# Altium PCB PCB.PcbDoc (part 3 of 4)
Units mil, origin at the board's own origin, x right, y up, seen from the top; angles counter-clockwise.
Board outline 6299.21 x 7637.8 mil, 2 copper layers (Top Layer, Bottom Layer); 456 components, 297 nets, 1240 pads, 557 vias.
Unrouted connection lines stored in the file: 247.
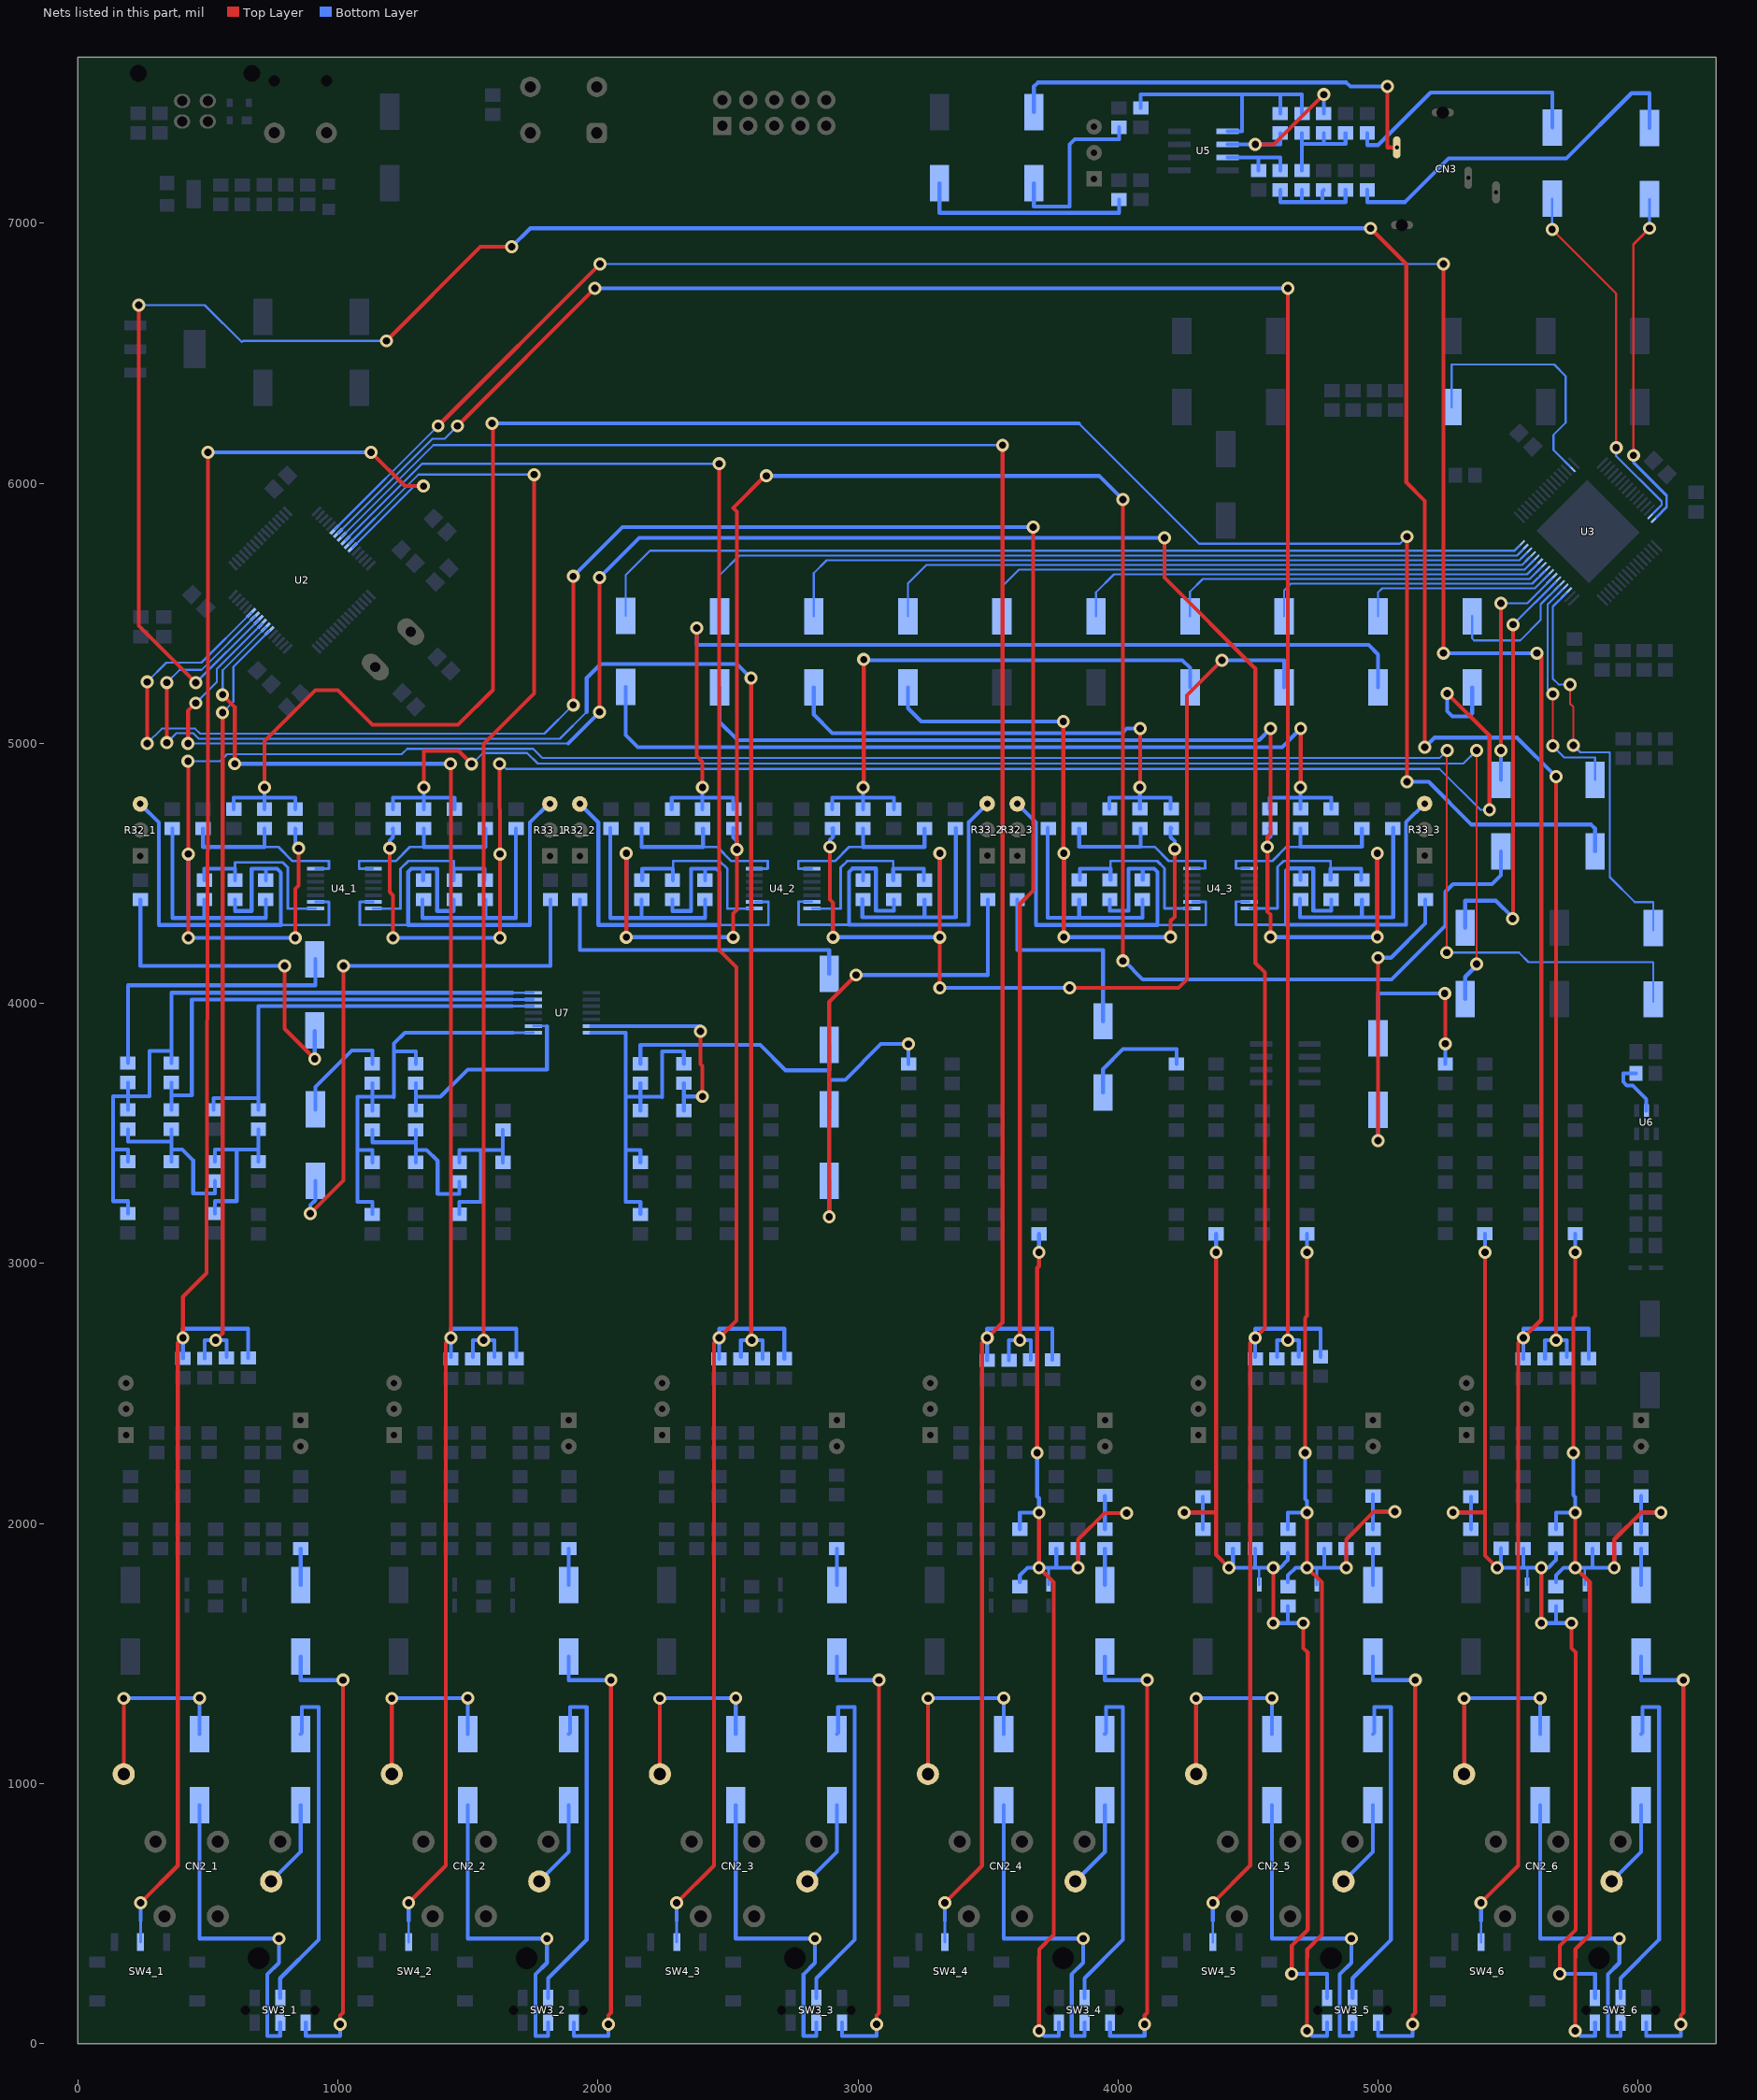
[diagram p3: the nets of this part, all layers, seen from the top]

## Via types
v1: diameter 50, hole 28, Top Layer to Bottom Layer, 553 vias
v2: diameter 55.12, hole 27.56, Top Layer to Bottom Layer, 4 vias

## Nets (pads, with @x,y where several pads share a name; then routed paths per layer and width w, separated by ;. In a path a pad name is that pad's centre, name@x,y a point inside that pad or via, vN(x,y) a via of type N, cw(c..) or ccw(c..) an arc to the next point about the centre after c; other vN are vias at no path point) (continued)
NetC17_4_2: C17_4.2 D4_4.1 R9_4.1 R10_4.2 R65.2 R66.1 R118.1 R147_4.1 SW3_4.6 | length 4413.8
  Top Layer w15: v1(3688.48,2271.16) 3688.48,2982.28 3695.87,2989.67 v1(3695.87,3042.81) ; v1(3695.87,49.21) 3695.87,331.14 3696.54,331.81 3696.54,362.38 3752.46,418.31 3752.46,1773.32 v1(3695.87,1829.91) v1(3695.87,2041.53) ; v1(3845.96,1829.91) 3845.96,1938.18 3947.65,2039.86 v1(4032.97,2039.86)
  Bottom Layer w10: D4_4.1@3732.78,1764.36 3732.78,1829.91
  Bottom Layer w15: C17_4.2@3622.05,1773.81 3622.05,1800.39 3651.57,1829.91 v1(3695.87,1829.91) 3732.78,1829.91 3762.3,1829.91 ; R9_4.1@3622.05,1978.04 3622.05,2041.53 v1(3695.87,2041.53) 3695.87,2096.46 3688.48,2103.84 v1(3688.48,2271.16) ; v1(3695.87,49.21) 3715.55,29.53 3772.15,29.53 SW3_4.6@3772.15,80.71 ; v1(3695.87,3042.81) R118.1@3695.87,3113.68 ; R147_4.1@3762.3,1903.24 3762.3,1829.91 ; R65.2@3845.96,1903.24 v1(3845.96,1829.91) 3762.3,1829.91 ; R10_4.2@3949.31,1978.04 3949.31,2039.86 ; R66.1@3949.31,2105.5 3949.31,2039.86 ; v1(4032.97,2039.86) 3949.31,2039.86
NetC17_5_1: C17_5.1 D3_5.1 R8_5.2 R9_5.2 R67.2 R68.1 R125.1 R144_5.1 SW3_5.3 | length 4112
  Top Layer w15: v1(4254.43,2042.32) 4376.11,2042.32 4376.91,2041.53 ; v1(4376.91,3042.81) 4376.91,2041.53 ; v1(4426.67,1829.91) 4376.91,1879.68 4376.91,2041.53 ; v1(4596.46,1616.63) v1(4596.46,1829.91) ; v1(4667.81,268.21) 4667.81,376.48 4728.94,437.6 4728.94,1503.84 4712.11,1520.67 v1(4712.11,1616.63) ; v1@4728.94,1616.63 v1@4728.94,1618.3
  Bottom Layer w10: D3_5.1@4542.32,1764.36 4542.32,1829.91
  Bottom Layer w15: v1(4254.43,2042.32) 4325.79,2042.32 ; R8_5.2@4325.79,1978.04 4325.79,2042.32 ; R68.1@4325.79,2103.04 4325.79,2042.32 ; v1(4376.91,3042.81) R125.1@4376.91,3113.68 ; R67.2@4441.44,1903.24 4441.44,1844.68 v1(4426.67,1829.91) 4527.56,1829.91 ; R144_5.1@4527.26,1903.24 4527.26,1830.21 4527.56,1829.91 ; v1(4596.46,1616.63) 4653.05,1616.63 ; C17_5.1@4653.05,1681.78 4653.05,1616.63 ; R9_5.2@4653.05,1886.02 4653.05,1859.44 4623.52,1829.91 v1(4596.46,1829.91) 4542.32,1829.91 4527.56,1829.91 ; v1(4667.81,268.21) 4803.15,268.21 SW3_5.3@4803.15,175.2 ; v1(4712.11,1616.63) 4653.05,1616.63
NetC17_5_2: C17_5.2 D4_5.1 R9_5.1 R10_5.2 R69.2 R70.1 R129.1 R147_5.1 SW3_5.6 | length 4420.9
  Top Layer w15: v1(4719.49,2271.16) 4719.49,2790.35 4726.87,2797.74 4726.32,2798.29 v1@4726.32,3041.89 ; v1(4726.87,49.21) 4726.87,331.14 4727.54,331.81 4727.54,362.38 4783.46,418.31 4783.46,1773.32 v1(4726.87,1829.91) v1(4726.87,2041.53) ; v1(4876.97,1829.91) 4876.97,1938.18 4983.57,2044.78 v1(5063.98,2044.78)
  Bottom Layer w10: D4_5.1@4763.78,1764.36 4763.78,1829.91
  Bottom Layer w15: C17_5.2@4653.05,1773.81 4653.05,1800.39 4682.58,1829.91 v1(4726.87,1829.91) 4763.78,1829.91 4793.31,1829.91 ; R9_5.1@4653.05,1978.04 4653.05,2041.53 v1(4726.87,2041.53) 4726.87,2086.61 4719.49,2094 v1(4719.49,2271.16) ; v1(4726.32,3042.81) R129.1@4726.32,3113.68 ; v1(4726.87,49.21) 4746.56,29.53 4803.15,29.53 SW3_5.6@4803.15,80.71 ; R147_5.1@4793.31,1903.24 4793.31,1829.91 ; R69.2@4876.97,1903.24 v1(4876.97,1829.91) 4793.31,1829.91 ; R10_5.2@4980.31,1978.04 4980.31,2044.78 ; R70.1@4980.31,2111.22 R70.1@4980.31,2105.5 4980.31,2044.78 ; v1(5063.98,2044.78) 4980.31,2044.78
NetC17_6_1: C17_6.1 D3_6.1 R8_6.2 R9_6.2 R71.2 R72.1 R136.1 R144_6.1 SW3_6.3 | length 4110.6
  Top Layer w15: v1(5287.89,2042.32) 5410.13,2042.32 5410.93,2041.53 ; v1(5410.93,3042.81) 5410.93,2041.53 ; v1(5457.68,1829.91) 5410.93,1876.67 5410.93,2041.53 ; v1(5627.46,1616.63) v1(5627.46,1829.91) ; v1(5698.82,268.21) 5698.82,376.48 5759.94,437.6 5759.94,1503.84 5743.11,1520.67 v1(5743.11,1616.63) ; v1@5759.94,1616.63 v1@5759.94,1618.3
  Bottom Layer w10: D3_6.1@5573.33,1764.36 5573.33,1829.91
  Bottom Layer w15: v1(5287.89,2042.32) 5292.51,2042.32 5356.79,2042.32 ; R8_6.2@5356.79,1978.04 5356.79,2042.32 ; R72.1@5356.79,2103.04 5356.79,2042.32 ; v1(5410.93,3042.81) R136.1@5410.93,3114.67 ; R71.2@5472.44,1904.04 5472.44,1844.68 v1(5457.68,1829.91) 5558.56,1829.91 ; R144_6.1@5558.27,1903.24 5558.27,1830.21 5558.56,1829.91 ; v1(5627.46,1616.63) 5684.06,1616.63 ; C17_6.1@5684.06,1681.78 5684.06,1616.63 ; R9_6.2@5684.06,1886.02 5684.06,1859.44 5654.53,1829.91 v1(5627.46,1829.91) 5573.33,1829.91 5558.56,1829.91 ; v1(5698.82,268.21) 5834.15,268.21 SW3_6.3@5834.15,175.2 ; v1(5743.11,1616.63) 5684.06,1616.63
NetC17_6_2: C17_6.2 D4_6.1 R9_6.1 R10_6.2 R73.2 R74.1 R140.1 R147_6.1 SW3_6.6 | length 4415.5
  Top Layer w15: v1(5750.49,2271.16) 5750.49,2790.35 5757.87,2797.74 v1(5757.87,3042.81) ; v1(5757.87,49.21) 5757.87,331.14 5758.54,331.81 5758.54,362.38 5814.47,418.31 5814.47,1773.32 v1(5757.87,1829.91) v1(5757.87,2041.53) ; v1(5907.97,1829.91) 5907.97,1938.18 6012.11,2042.32 v1(6087.6,2042.32)
  Bottom Layer w10: D4_6.1@5794.78,1764.36 5794.78,1829.91
  Bottom Layer w15: C17_6.2@5684.06,1773.81 5684.06,1800.39 5713.58,1829.91 v1(5757.87,1829.91) 5794.78,1829.91 5824.31,1829.91 ; R9_6.1@5684.06,1978.04 5684.06,2041.53 v1(5757.87,2041.53) 5757.87,2101.38 5750.49,2108.76 v1(5750.49,2271.16) ; v1(5757.87,49.21) 5777.56,29.53 5834.15,29.53 SW3_6.6@5834.15,80.71 ; v1(5757.87,3042.81) R140.1@5757.87,3114.67 ; R147_6.1@5824.31,1903.24 5824.31,1829.91 ; R73.2@5907.97,1903.24 v1(5907.97,1829.91) 5824.31,1829.91 ; R10_6.2@6011.32,1963.58 6011.32,2042.32 ; R74.1@6011.32,2105.5 6011.32,2042.32 ; v1(6087.6,2042.32) 6011.32,2042.32
NetC18_1_1: C18_1.1 R10_1.1 | length 140.6
  Bottom Layer w15: C18_1.1@856.3,1762.68 R10_1.1@856.3,1903.24
NetC18_1_2: C18_1.2 SW3_1.4 | length 1809.7
  Top Layer w15: v1(1008.86,73.82) 1008.86,108.27 1018.7,118.11 v1(1018.7,1397.64)
  Bottom Layer w15: C18_1.2@856.3,1488.68 856.3,1397.64 v1(1018.7,1397.64) ; SW3_1.4@875.98,80.71 875.98,29.53 1008.86,29.53 v1(1008.86,73.82)
NetC18_2_1: C18_2.1 R10_2.1 | length 140.6
  Bottom Layer w15: C18_2.1@1887.3,1762.68 R10_2.1@1887.3,1903.24
NetC18_2_2: C18_2.2 SW3_2.4 | length 1809.7
  Top Layer w15: v1(2039.86,73.82) 2039.86,108.27 2049.7,118.11 v1(2049.7,1397.64)
  Bottom Layer w15: C18_2.2@1887.3,1488.68 1887.3,1397.64 v1(2049.7,1397.64) ; SW3_2.4@1906.99,80.71 1906.99,29.53 2039.86,29.53 v1(2039.86,73.82)
NetC18_3_1: C18_3.1 R10_3.1 | length 140.6
  Bottom Layer w15: C18_3.1@2918.31,1762.68 R10_3.1@2918.31,1903.24
NetC18_3_2: C18_3.2 SW3_3.4 | length 1809.7
  Top Layer w15: v1(3070.87,73.82) 3070.87,108.27 3080.71,118.11 v1(3080.71,1397.64)
  Bottom Layer w15: C18_3.2@2918.31,1488.68 2918.31,1397.64 v1(3080.71,1397.64) ; SW3_3.4@2937.99,80.71 2937.99,29.53 3070.87,29.53 v1(3070.87,73.82)
NetC18_4_1: C18_4.1 R10_4.1 | length 140.6
  Bottom Layer w15: C18_4.1@3949.31,1762.68 R10_4.1@3949.31,1903.24
NetC18_4_2: C18_4.2 SW3_4.4 | length 1809.7
  Top Layer w15: v1(4101.87,73.82) 4101.87,108.27 4111.71,118.11 v1(4111.71,1397.64)
  Bottom Layer w15: C18_4.2@3949.31,1488.68 3949.31,1397.64 v1(4111.71,1397.64) ; SW3_4.4@3969,80.71 3969,29.53 4101.87,29.53 v1(4101.87,73.82)
NetC18_5_1: C18_5.1 R10_5.1 | length 140.6
  Bottom Layer w15: C18_5.1@4980.31,1762.68 R10_5.1@4980.31,1903.24
NetC18_5_2: C18_5.2 SW3_5.4 | length 1809.7
  Top Layer w15: v1(5132.87,73.82) 5132.87,108.27 5142.72,118.11 v1(5142.72,1397.64)
  Bottom Layer w15: C18_5.2@4980.31,1488.68 4980.31,1397.64 v1(5142.72,1397.64) ; SW3_5.4@5000,80.71 5000,29.53 5132.87,29.53 v1(5132.87,73.82)
NetC18_6_1: C18_6.1 R10_6.1 | length 140.6
  Bottom Layer w15: C18_6.1@6011.32,1762.68 R10_6.1@6011.32,1903.24
NetC18_6_2: C18_6.2 SW3_6.4 | length 1809.7
  Top Layer w15: v1(6163.88,73.82) 6163.88,108.27 6173.72,118.11 v1(6173.72,1397.64)
  Bottom Layer w15: C18_6.2@6011.32,1488.68 6011.32,1397.64 v1(6173.72,1397.64) ; SW3_6.4@6031,80.71 6031,29.53 6163.88,29.53 v1(6163.88,73.82)
NetC32_1: C32.1 U3.59 | length 1835.1
  Bottom Layer w8: C32.1@3914.86,5488.87 3914.86,5580.71 3984.25,5650.1 5573.12,5650.1 U3.59@5612.91,5689.89
NetC33_1: C33.1 C53_1.1 R24_1.2 R26_1.2 | length 8231.4
  Top Layer w15: v1(717.16,4830.22) 717.16,5008.5 912.89,5204.23 999.02,5204.23 1131.89,5071.36 1461.61,5071.36 1595.62,5205.36 1595.62,6226.72 v1(1592.03,6230.31) ; v1(5110.73,4852.36) v1(5110.73,5794.78)
  Bottom Layer w8: 3848.43,6230.31 4311.02,5767.72 5083.66,5767.72 v1(5110.73,5794.78)
  Bottom Layer w15: R24_1.2@599.05,4747.05 599.05,4790.85 717.16,4790.85 ; R26_1.2@717.16,4747.05 717.16,4790.85 ; v1(717.16,4830.22) 717.16,4790.85 ; C53_1.1@835.27,4747.05 835.27,4790.85 717.16,4790.85 ; v1(1592.03,6230.31) 3848.43,6230.31 ; v1(5110.73,4852.36) 5194.39,4852.36 5359.25,4687.5 5819.39,4687.5 5834.15,4672.74 C33.1@5834.15,4584.95
NetC33_2: C33.2 U3.52 | length 906.7
  Top Layer w8: v1(5671.75,4990.16) v1(5671.75,5189.47)
  Bottom Layer w8: v1(5671.75,4990.16) 5716.04,4945.87 5834.15,4945.87 C33.2@5834.15,4858.95 ; v1(5671.75,5189.47) 5652.07,5209.15 5652.07,5534.17 U3.52@5710.35,5592.45 ; U3.52@5704.85,5587.4 U3.52@5707.96,5590.52
NetC34_1: C34.1 C53_1.2 R28_1.1 R30_1.2 R36_1.2 | length 9215.8
  Top Layer w8: v1(5263.29,4195.37) 5263.29,4970.47 v1(5265.75,4972.93)
  Top Layer w15: v1(424.35,4251.97) v1@424.35,4569.39 ; v1(424.35,4574.31) v1@424.35,4931.1 ; v1(835.27,4251.97) 835.27,4440.1 848.92,4453.74 v1(848.92,4596.46)
  Bottom Layer w8: v1(423.23,4931.1) 546.26,4931.1 573.42,4958.26 618.18,4958.26 618.27,4958.17 1245.08,4958.17 1266,4979.09 1750.73,4979.09 1786.42,4943.41 5236.22,4943.41 v1(5265.75,4972.93) ; v1(5263.29,4195.37) 5541.34,4195.37 5578.25,4158.46 6058.07,4158.46 C34.1@6058.07,4015.75 C34.1@6058.07,4006.7
  Bottom Layer w15: R28_1.1@362.83,4672.24 362.83,4328.25 424.35,4328.25 ; v1(424.35,4251.97) v1(835.27,4251.97) ; v1(424.35,4574.31) 424.35,4328.25 ; R36_1.2@485.86,4399.11 485.86,4328.25 ; R30_1.2@722.09,4399.11 722.09,4328.25 485.86,4328.25 ; v1@835.27,4616.14 C53_1.2@835.27,4672.24 C53_1.2@837.73,4669.78 ; 424.35,4328.25 485.86,4328.25
NetC34_2: C34.2 U3.51 | length 1628.3
  Top Layer w8: v1(5738.19,5226.38) 5738.19,5152.56 5750.49,5140.26 v1(5750.49,4992.62)
  Bottom Layer w8: U3.51@5706.53,5561.25 U3.51@5711.8,5566.52 ; U3.51@5717.8,5572.52 U3.51@5722.85,5577.57 ; U3.51@5724.27,5578.53 5671.75,5526.02 5671.75,5248.52 5693.9,5226.38 v1(5738.19,5226.38) ; v1(5750.49,4992.62) 5777.56,4965.55 5890.75,4965.55 5890.75,4485.73 5986.71,4389.76 6058.07,4389.76 C34.2@6058.07,4289.75 C34.2@6058.07,4280.7
NetC35_1: C35.1 U3.15 | length 1014.3
  Bottom Layer w8: C35.1@5282.97,6292.63 5282.97,6456.69 5676.67,6456.69 5720.96,6412.4 5720.96,6232.78 5674.21,6186.02 5674.21,6128.3 U3.15@5738.19,6064.32
NetC36_1: C36.1 U3.60 | length 2201.6
  Bottom Layer w8: C36.1@3553.15,5488.87 3553.15,5602.85 3618.39,5668.1 5563.28,5668.1 U3.60@5598.99,5703.81
NetC37_1: C37.1 C54_1.1 R25_1.2 R27_1.2 | length 5652.5
  Top Layer w8: v1(5378.94,4151.08) v1@5378.94,4156 ; v1(5378.94,4972.93) v1@5378.94,4156 ; v1@5383.86,4151.08 v1@5378.94,4156
  Top Layer w15: v1(1329.86,4830.22) 1329.86,4970.47 1464,4970.47 v1(1513.27,4921.2)
  Bottom Layer w8: v1(1513.27,4921.2) 1515.69,4921.2 1557.58,4963.09 1727.36,4963.09 1768.55,4921.9 5327.9,4921.9 v1(5378.94,4972.93)
  Bottom Layer w15: C54_1.1@1211.75,4747.05 1211.75,4790.85 1329.86,4790.85 ; R27_1.2@1329.86,4747.05 1329.86,4790.85 ; v1(1329.86,4830.22) 1329.86,4790.85 ; R25_1.2@1447.97,4747.05 1447.97,4790.85 1329.86,4790.85 ; C37.1@5334.65,4016.54 5334.65,4101.87 v1@5381.4,4148.62
NetC37_2: C37.2 U3.54 | length 1680.8
  Top Layer w15: v1(5516.73,4325.79) 5519.19,4328.25 v1(5519.19,5456.53)
  Bottom Layer w8: v1(5519.19,5456.53) 5682.51,5619.85 U3.54@5682.51,5620.29
  Bottom Layer w15: C37.2@5334.65,4290.54 5334.65,4394.69 5452.76,4394.69 5516.73,4330.71 v1(5516.73,4325.79)
NetC38_1: C38.1 C54_1.2 R29_1.1 R31_1.2 R37_1.2 | length 7277.7
  Top Layer w15: v1(1198.33,4596.46) 1198.33,4429.13 1211.75,4415.71 v1(1211.75,4251.97) ; v1(1621.56,4921.26) v1(1622.68,4574.31) ; v1(1622.68,4251.97) v1@1622.68,4569.39 ; v1(5265.75,5191.93) 5428.15,5029.53 v1(5428.15,4744.09)
  Bottom Layer w8: v1@1621.56,4926.18 1646.16,4901.57 5236.22,4901.57 5393.7,4744.09 v1(5428.15,4744.09)
  Bottom Layer w15: v1(1198.33,4596.46) 1198.33,4625.98 1211.75,4639.41 C54_1.2@1211.75,4672.24 C54_1.2@1209.29,4669.78 ; v1(1211.75,4251.97) v1(1622.68,4251.97) ; R31_1.2@1324.94,4399.11 1324.94,4328.25 1561.16,4328.25 ; R37_1.2@1566.08,4399.11 1566.08,4333.17 1561.16,4328.25 ; v1(1622.68,4574.31) 1622.68,4328.25 ; R29_1.1@1684.19,4672.24 1684.19,4328.25 1622.68,4328.25 ; v1(5265.75,5191.93) 5265.75,5123.03 5285.43,5103.35 5349.41,5103.35 5361.71,5115.65 C38.1@5361.71,5214.87 ; 1561.16,4328.25 1622.68,4328.25
NetC38_2: C38.2 U3.53 | length 545.3
  Bottom Layer w8: C38.2@5361.71,5488.87 5361.71,5403.54 5369.09,5396.16 5546.26,5396.16 5625,5474.9 5625,5534.95 U3.53@5696.43,5606.37
NetC39_1: C39.1 C53_2.1 R24_2.2 R26_2.2 | length 3855.9
  Top Layer w15: v1(2379.43,5442.91) 2379.43,4950.79 2401.57,4928.64 v1(2401.57,4830.22)
  Bottom Layer w15: R24_2.2@2283.46,4747.05 2283.46,4790.85 2401.57,4790.85 ; v1(2379.43,5442.91) 2379.43,5378.94 4963.09,5378.94 5000,5342.03 C39.1@5000,5214.87 ; R26_2.2@2401.57,4747.05 2401.57,4790.85 ; v1(2401.57,4830.22) 2401.57,4790.85 ; C53_2.1@2519.69,4747.05 2519.69,4790.85 2401.57,4790.85
NetC39_2: C39.2 U3.56 | length 774.4
  Bottom Layer w8: C39.2@5000,5488.87 5000,5580.71 5015.39,5596.1 5602.63,5596.1 U3.56@5654.67,5648.13
NetC40_1: C40.1 C53_2.2 R28_2.1 R30_2.2 R36_2.2 | length 8770.7
  Top Layer w15: v1(2108.76,4254.43) v1(2108.76,4576.77) ; v1(2519.68,4254.43) 2519.68,4345.47 2534.45,4360.24 v1(2534.45,4591.54) 2534.45,5890.75 2519.68,5905.51 2642.72,6028.54 v1(2647.64,6028.54) ; v1(4018.21,4163.39) v1(4018.21,5937.5)
  Bottom Layer w15: R28_2.1@2047.24,4674.7 2047.24,4328.25 2108.76,4328.25 ; v1(2108.76,4254.43) v1(2519.68,4254.43) ; v1(2108.76,4576.77) 2108.76,4328.25 ; R36_2.2@2167.82,4399.11 2167.82,4330.71 2170.28,4328.25 ; R30_2.2@2411.42,4399.11 2411.42,4328.25 2170.28,4328.25 ; C53_2.2@2522.15,4672.24 2519.68,4674.7 2519.68,4638.29 2534.45,4623.52 v1(2534.45,4591.54) ; v1(2647.64,6028.54) 3927.17,6028.54 v1(4018.21,5937.5) ; v1(4018.21,4163.39) 4023.13,4163.39 4094.49,4092.03 5051.67,4092.03 5258.37,4298.72 5258.37,4429.13 5287.89,4458.66 5437.99,4458.66 5472.44,4493.11 C40.1@5472.44,4584.95 ; 2108.76,4328.25 2170.28,4328.25
NetC40_2: C40.2 U3.55 | length 915.6
  Top Layer w15: v1(5472.44,4972.93) v1(5472.44,5538.88)
  Bottom Layer w8: v1(5472.44,5538.88) 5573.25,5538.88 U3.55@5668.59,5634.21
  Bottom Layer w15: C40.2@5472.44,4858.95 v1(5472.44,4972.93)
NetC41_1: C41.1 C54_2.1 R25_2.2 R27_2.2 | length 2243.8
  Top Layer w15: v1(3019.19,4830.22) 3021.65,4832.68 v1(3021.65,5322.34)
  Bottom Layer w15: C54_2.1@2901.08,4747.05 2901.08,4790.85 3019.19,4790.85 ; R27_2.2@3019.19,4747.05 3019.19,4790.85 ; v1(3019.19,4830.22) 3019.19,4790.85 ; v1(3021.65,5322.34) 3024.11,5319.88 4247.05,5319.88 4276.57,5290.35 C41.1@4276.57,5214.87 ; R25_2.2@3137.3,4747.05 3137.3,4790.85 3019.19,4790.85
NetC41_2: C41.2 U3.58 | length 1483
  Bottom Layer w8: C41.2@4276.57,5488.87 4276.57,5583.17 4325.5,5632.1 5582.96,5632.1 U3.58@5626.83,5675.97
NetC42_1: C42.1 C54_2.2 R29_2.1 R31_2.2 R37_2.2 | length 5036.9
  Top Layer w15: v1(2891.24,4601.38) 2891.24,4399.61 2903.54,4387.3 v1(2903.54,4254.43) ; v1(3314.47,4060.04) v1(3314.47,4254.43) v1@3314.47,4571.85 ; v1(3813.98,4060.04) 4232.28,4060.04 4264.27,4092.03 4264.27,5184.55 v1(4399.61,5319.88)
  Bottom Layer w15: v1(2891.24,4601.38) 2891.24,4628.44 2903.54,4640.75 2903.54,4674.7 C54_2.2@2901.08,4672.24 ; v1(2903.54,4254.43) v1(3314.47,4254.43) ; R31_2.2@3016.73,4401.57 3016.73,4330.71 3252.95,4330.71 ; R37_2.2@3255.41,4399.11 3255.41,4333.17 3252.95,4330.71 ; v1(3314.47,4060.04) v1(3813.98,4060.04) ; v1(3314.47,4576.77) 3314.47,4330.71 ; R29_2.1@3375.98,4674.7 3375.98,4330.71 3314.47,4330.71 ; v1(4399.61,5319.88) 4638.29,5319.88 C42.1@4638.29,5214.87 ; 3252.95,4330.71 3314.47,4330.71
NetC42_2: C42.2 U3.57 | length 1132.3
  Bottom Layer w8: C42.2@4638.29,5488.87 4638.29,5588.09 4664.29,5614.1 5592.8,5614.1 U3.57@5640.75,5662.05
NetC43_1: C43.1 C53_3.1 R24_3.2 R26_3.2 | length 2029
  Top Layer w15: v1(4083.8,4830.71) 4084.65,4831.56 v1(4084.65,5056.59)
  Bottom Layer w15: C43.1@2829.72,5214.87 2829.72,5110.73 2901.08,5039.37 4015.75,5039.37 4032.97,5056.59 v1(4084.65,5056.59) ; R24_3.2@3965.69,4747.54 3965.69,4791.34 4083.8,4791.34 ; R26_3.2@4083.8,4747.54 4083.8,4791.34 ; v1(4083.8,4830.71) 4083.8,4791.34 ; C53_3.1@4201.91,4747.54 4201.91,4791.34 4083.8,4791.34
NetC43_2: C43.2 U3.62 | length 2939
  Bottom Layer w8: C43.2@2829.72,5488.87 2829.72,5654.53 2879.29,5704.1 5543.6,5704.1 U3.62@5571.15,5731.65
NetC44_1: C44.1 C53_3.2 R28_3.1 R30_3.2 R36_3.2 | length 3472.9
  Top Layer w15: v1(3789.37,5083.66) 3789.37,4578.88 v1(3790.98,4577.26) ; v1(3790.98,4254.92) v1@3790.98,4572.34 ; v1(4201.91,4254.92) 4201.91,4317.56 4217.52,4333.17 v1(4217.52,4594)
  Bottom Layer w15: C44.1@3191.44,5214.87 3191.44,5135.33 3243.11,5083.66 v1(3789.37,5083.66) ; R28_3.1@3729.47,4675.2 3729.47,4328.74 3790.98,4328.74 ; v1(3790.98,4254.92) v1(4201.91,4254.92) ; v1(3790.98,4577.26) 3790.98,4328.74 ; R36_3.2@3850.04,4399.61 3850.04,4331.2 3852.5,4328.74 ; R30_3.2@4093.64,4399.61 4093.64,4328.74 3852.5,4328.74 ; C53_3.2@4204.37,4672.74 4201.91,4675.2 4201.91,4639.13 4217.52,4623.52 v1(4217.52,4594) ; 3790.98,4328.74 3852.5,4328.74
NetC44_2: C44.2 U3.61 | length 2562.4
  Bottom Layer w8: C44.2@3191.44,5488.87 3191.44,5615.16 3262.38,5686.1 5553.44,5686.1 U3.61@5585.07,5717.73
NetC45_1: C45.1 C54_3.1 R25_3.2 R27_3.2 | length 3462.7
  Top Layer w15: v1(4701.42,4830.71) 4702.26,4831.56 v1(4702.26,5056.59)
  Bottom Layer w15: C45.1@2106.3,5216.54 2106.3,5031.99 2153.05,4985.24 4630.91,4985.24 v1(4702.26,5056.59) ; C54_3.1@4583.31,4747.54 4583.31,4791.34 4701.42,4791.34 ; R27_3.2@4701.42,4747.54 4701.42,4791.34 ; v1(4701.42,4830.71) 4701.42,4791.34 ; R25_3.2@4819.53,4747.54 4819.53,4791.34 4701.42,4791.34
NetC45_2: C45.2 U3.64 | length 3640.2
  Bottom Layer w8: C45.2@2106.3,5490.54 2106.3,5647.15 2199.8,5740.65 5524.48,5740.65 U3.64@5543.31,5759.49
NetC46_1: C46.1 C54_3.2 R29_3.1 R31_3.2 R37_3.2 | length 5010.7
  Top Layer w15: v1(4585.77,4254.92) 4585.77,4341.4 4574.31,4352.85 v1(4574.31,4601.38) 4574.31,4640.75 4586.61,4653.05 v1(4586.61,5056.59) ; v1(4996.69,4254.92) v1@4996.69,4572.34
  Bottom Layer w15: C46.1@2468.01,5214.87 2468.01,5081.2 2536.91,5012.3 4542.32,5012.3 v1(4586.61,5056.59) ; v1(4574.31,4601.38) 4574.31,4630.91 4585.77,4642.36 4585.77,4675.2 C54_3.2@4583.31,4672.74 ; v1(4585.77,4254.92) v1(4996.69,4254.92) ; R31_3.2@4698.96,4402.07 4698.96,4331.2 4935.18,4331.2 ; R37_3.2@4937.64,4399.61 4937.64,4333.66 4935.18,4331.2 ; v1(4996.69,4577.26) 4996.69,4331.2 ; R29_3.1@5058.21,4675.2 5058.21,4331.2 4996.69,4331.2 ; 4935.18,4331.2 4996.69,4331.2